# Altium PCB KVision_PCB_V1I1.PcbDoc (part 2 of 2)
Units mm, origin at the board's own origin, x right, y up, seen from the top; angles counter-clockwise.
Board outline 122 x 56 mm, 4 copper layers (Top Layer, VCC, GND, Bottom Layer), stack 1.58 mm thick; 96 components, 137 nets, 699 pads, 420 vias.
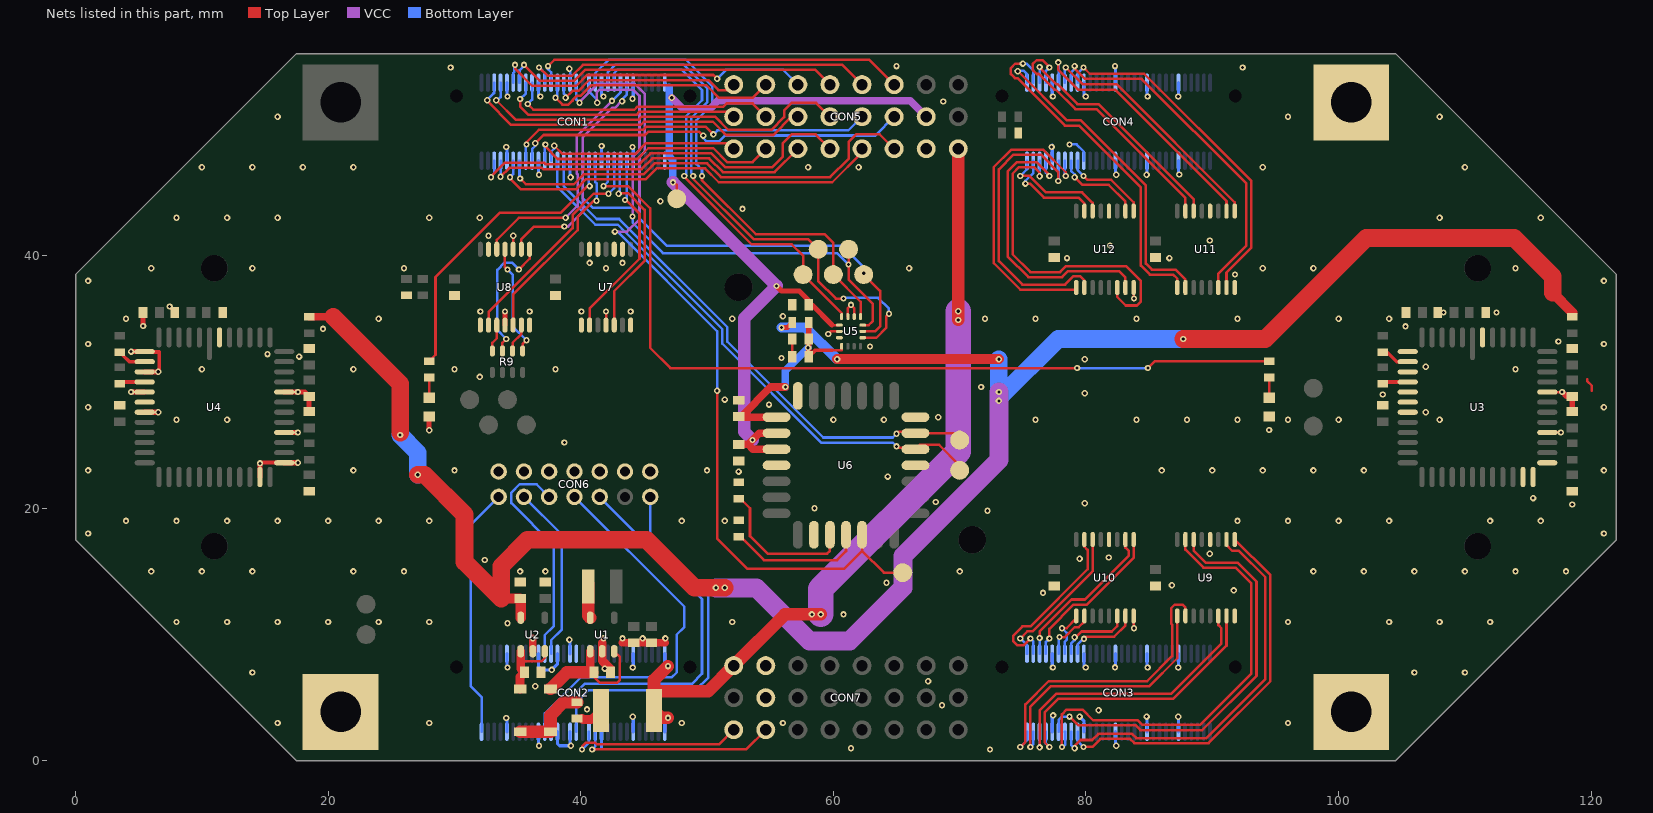
[diagram p4: the nets of this part, all layers, seen from the top]

## Via types
v1: diameter 0.5, hole 0.25, Top Layer to Bottom Layer, tented both sides, 420 vias

## Nets (pads, with @x,y where several pads share a name; then routed paths per layer and width w, separated by ;. In a path a pad name is that pad's centre, name@x,y a point inside that pad or via, vN(x,y) a via of type N, cw(c..) or ccw(c..) an arc to the next point about the centre after c; other vN are vias at no path point) (continued)
GND: C1.2 C2.2 C3.2 C4.2 C5.2 C6.2 C7.2 C8.2 C9.2 C10.2 C11.2 C12.2 C13.2 C14.2 C15.2 C16.2 C17.2 C18.2 C19.2 C20.2 C21.2 C22.2 C23.2 C25.2 C26.2 C27.1 C28.2 C29.1 C30.1 C31.1 C32.1 C33.1 C34.1 CON1.11 CON1.12 CON1.21 CON1.22 CON1.31 CON1.32 CON1.41 CON1.42 CON1.51 CON1.52 CON2.11 CON2.12 CON2.21 CON2.22 CON2.31 CON2.32 CON2.35 CON2.36 CON2.41 CON2.42 CON2.51 CON2.52 CON3.11 CON3.12 CON3.21 CON3.22 CON3.31 CON3.32 CON3.41 CON3.42 CON3.51 CON3.52 CON4.11 CON4.12 CON4.21 CON4.22 CON4.31 CON4.32 CON4.41 CON4.42 CON4.51 CON4.52 CON5.21 CON6.1 CON6.3 CON6.5 CON6.7 CON6.9 CON6.11 CON6.13 CON7.20 CON7.21 D3.1 D4.1 pad.@20.985,3.871 pad.@100.995,3.871 pad.@100.995,52.129 R7.2 R8.1 R13.1 R15.1 U1.2 U2.2 U3.7 U3.9 U3.11 U3.12 U3.13 U3.29 U3.30 U3.31 U3.34 U3.38 U3.48 U4.7 U4.9 U4.11 U4.12 U4.13 U4.29 U4.31 U4.34 U4.38 U4.48 U5.2 U5.3 U5.6 U5.7 U6.4 U6.8 U6.13 U6.22 U6.25 U7.1 U7.4 U7.7 U7.9 U7.10 U7.12 U7.13 U8.1 U8.4 U8.7 U8.10 U8.13 U9.8 U9.12 U10.8 U10.12 U11.8 U11.12 U12.8 U12.12 | length 95.7
  Top Layer w0.2: v1(7.45,35.975) 7.45,35.95 7.425,35.925 C16.2@7.85,35.5 ; U8.10@34.65,40.5 v1(34.65,41.575) ; U7.4@42,34.5 v1(42,35.575) ; C25.2@56.75,32 C26.2@56.75,33.4 ; v1(59.6,33.8) 59.8,34 U5.6@60.475,34 ; U5.3@61.15,35.175 61.15,35.85 v1(61.4,36.1) 61.65,35.85 U5.2@61.65,35.175 ; U10.8@83.775,11.475 83.8,11.45 v1(83.8,10.5) ; U12.8@83.775,37.475 83.775,36.475 83.8,36.45 v1(83.8,36.6) ; U3.34@116.525,26 v1(117.6,26) ; U3.38@116.525,29.2 v1(117.7,29.2) ; 119.7,30.2 119.7,30.049 120.05,29.699 120.05,29.3
  Top Layer w0.3: C18.2@5.35,35.5 C18.2@5.475,35.375 ; U4.7@5.475,32.4 5.475,32.375 6.625,32.375 6.625,30.875 v1(6.55,30.8) ; v1(14.6,23.55) 14.675,23.625 16.525,23.625 U4.31@16.525,23.6
  Top Layer w0.4: v1(4.4,29.2) U4.11@5.475,29.2 ; v1(4.4,32.4) U4.7@5.475,32.4 ; v1(5.35,34.425) C18.2@5.35,35.5 ; U4.13@5.475,27.6 v1(6.55,27.6) ; U4.9@5.475,30.8 v1(6.55,30.8) ; U4.29@14.6,22.475 v1(14.6,23.55) ; U4.31@16.525,23.6 v1(17.6,23.6) ; U4.34@16.525,26 v1(17.6,26) ; U4.38@16.525,29.2 v1(17.6,29.2) 18.15,29.2 C21.2@18.5,28.85 C22.2@18.5,27.65 ; v1(28,26.175) D3.1@28,27.25 ; U8.4@34,34.5 v1(34,35.575) ; v1(117.7,29.2) 118.05,28.85 C13.2@118.5,28.85 C14.2@118.5,27.65
  Top Layer w0.6: U2.2@36.2,8.675 v1(36.2,9.7) ; 43.3,9.35 46.7,9.35
  Top Layer w0.7: 41.7,9.329 U1.2@41.7,8.675 41.7,7.928 42.35,7.278 C1.2@42.35,7
  Bottom Layer w0.2: v1(34.1,3.39) v1@34.1,3.49 ; v1(34.1,48.6) 34.1,48.7 v1@34.15,48.65 ; v1@36.65,1.14 v1(36.7,1.19) ; v1@36.65,46.35 v1(36.7,46.4) ; v1(39.1,9.59) v1@39.15,9.64 ; v1(39.1,54.8) 39.15,54.85 CON1.31@39.15,53.695 ; v1@41.65,9.75 41.7,9.7 v1(41.8,9.7) ; v1@41.65,52.65 41.7,52.6 v1(41.8,52.6) ; v1(44.1,48.6) v1@44.15,48.55 ; v1(44.1,52.425) v1@44.15,52.475 ; v1(44.12,3.49) v1@44.15,3.46 ; v1(44.12,7.39) 44.12,7.295 v1@44.15,7.265 ; v1@77.28,3.49 77.39,3.6 v1(77.4,3.6) ; v1(77.28,48.6) 77.28,48.7 v1@77.33,48.75 ; v1(78.7,48.8) 79.255,48.8 79.83,48.225 CON4.42@79.83,47.515 ; v1(82.3,55) 82.3,54.82 v1@82.33,54.85 ; v1(84.8,46.4) v1@84.83,46.43 ; v1@84.83,7.44 v1(84.88,7.39) ; v1@84.83,52.65 v1(84.88,52.6) ; v1(87.3,3.49) v1@87.33,3.46 ; v1(87.3,7.39) 87.3,7.295 v1@87.33,7.265 ; v1(87.3,52.6) 87.3,52.505 v1@87.33,52.475 ; v1@87.33,46.47 v1(87.38,46.42)
  Bottom Layer w0.25: v1@34.1,3.49 34.15,3.44 CON2.52@34.15,2.305 ; v1@34.15,7.315 CON2.51@34.15,8.485 ; CON1.52@34.15,47.515 v1@34.15,48.65 ; v1@34.15,52.525 CON1.51@34.15,53.695 ; v1(34.2,7.39) v1@34.275,7.315 ; v1(34.2,52.6) v1@34.275,52.525 ; v1@36.65,1.14 CON2.42@36.65,2.305 ; CON2.41@36.65,8.485 36.65,7.49 36.94,7.2 v1(37.7,7.2) 38.15,7.65 CON2.35@38.15,8.485 ; v1@36.65,46.35 CON1.42@36.65,47.515 ; CON1.41@36.65,53.695 36.65,52.7 36.75,52.6 v1(36.8,52.6) ; CON2.36@38.15,2.305 38.15,1.377 38.337,1.19 39.15,1.19 CON2.32@39.15,2.305 ; CON2.31@39.15,8.485 v1@39.15,9.64 ; CON1.32@39.15,47.515 39.15,46.25 v1(39.2,46.2) ; 41.65,1.05 CON2.22@41.65,2.305 ; CON2.21@41.65,8.485 v1@41.65,9.75 ; CON1.22@41.65,47.515 v1(41.65,48.675) ; v1@41.65,52.65 CON1.21@41.65,53.695 ; CON2.12@44.15,2.305 v1@44.15,3.46 ; v1@44.15,7.265 CON2.11@44.15,8.485 ; CON1.12@44.15,47.515 v1@44.15,48.55 ; v1@44.15,52.475 CON1.11@44.15,53.695 ; v1@77.28,3.49 77.33,3.44 CON3.52@77.33,2.305 ; v1@77.33,7.315 CON3.51@77.33,8.485 ; CON4.52@77.33,47.515 v1@77.33,48.75 ; v1@77.33,52.525 CON4.51@77.33,53.695 ; v1(77.38,7.39) v1@77.455,7.315 ; v1(77.38,52.6) v1@77.455,52.525 ; v1(79.5,3.5) 79.83,3.17 CON3.42@79.83,2.305 ; CON3.41@79.83,8.485 79.83,7.49 79.93,7.39 v1(79.98,7.39) ; CON4.41@79.83,53.695 79.83,52.7 79.93,52.6 v1(79.98,52.6) ; v1(82.3,7.4) 82.33,7.43 CON3.31@82.33,8.485 ; v1@82.33,1.19 CON3.32@82.33,2.305 ; v1@82.33,46.4 CON4.32@82.33,47.515 ; CON4.31@82.33,53.695 v1@82.33,54.85 ; v1(84.8,3.5) 84.83,3.47 CON3.22@84.83,2.305 ; v1@84.83,7.44 CON3.21@84.83,8.485 ; v1@84.83,46.43 CON4.22@84.83,47.515 ; v1@84.83,52.65 CON4.21@84.83,53.695 ; CON3.12@87.33,2.305 v1@87.33,3.46 ; v1@87.33,7.265 CON3.11@87.33,8.485 ; v1@87.33,46.47 CON4.12@87.33,47.515 ; v1@87.33,52.475 CON4.11@87.33,53.695
  other v1: 72.4,0.9 61.4,1 39.22,1.19 82.4,1.19 16,3 28,3 48,3 56,3 96,3 81,4 40.5,4.075 68.6,4.4 36.4,5.9 67.5,6.3 14,7 106,7 110,7 41.9,7.3 43.3,9.7 44.9,9.7 46.7,9.7 34.2,10.9 8,11 12,11 16,11 20,11 24,11 28,11 52,11 96,11 104,11 108,11 112,11 60.8,11.6 76.6,13.3 91.7,13.5 86.8,13.9 64.2,14.1 6,15 10,15 14,15 22,15 26,15 35.2,15 37.2,15 70,15 98,15 102,15 106,15 110,15 114,15 118,15 32.4,15.9 79.5,16 81.8,16.1 89.8,16.4 1,18 121,18 4,19 8,19 12,19 16,19 20,19 24,19 28,19 48,19 51.4,19 92,19 96,19 100,19 104,19 112,19 116,19 72.2,19.8 58.5,20 118.5,20.3 79.9,20.4 68.1,20.5 115.4,20.8 64.3,22.5 52.5,22.9 1,23 22,23 30,23 50,23 86,23 90,23 94,23 98,23 102,23 121,23 38.7,25.2 94.5,26.2 8,27 12,27 60,27 64,27 76,27 84,27 88,27 92,27 96,27 100,27 108,27 68.3,27.2 106.9,27.6 1,28 121,28 54.9,28.2 51.4,28.6 103.5,29 79.9,29.1 71.7,29.6 32,30.4 10,31 22,31 30,31 38,31 114,31 106.9,31.2 79.9,31.8 55.9,31.9 17.7,32 15.2,32.2 62.9,32.8 1,33 121,33 117.4,33.2 19.6,34.2 105.3,34.4 4,35 24,35 52,35 72,35 76,35 84,35 92,35 100,35 104,35 56,35.2 108.3,35.5 112.5,35.5 32.05,35.575 35.95,35.575 40.05,35.575 43.95,35.575 1,38 121,38 91.8,38.5 6,39 14,39 26,39 42,39 66,39 94,39 98,39 114,39 40.7,39.425 43.3,39.425 78.5,39.8 86.6,39.8 81.9,40.8 89.8,41.2 32.7,41.575 8,43 12,43 16,43 28,43 32,43 108,43 116,43 52.8,43.7 46.3,44.3 82.4,46.4 10,47 14,47 18,47 22,47 58,47 62,47 94,47 110,47 16,51 96,51 108,51 68.7,52.2 29.7,54.9 92.4,54.9 65,55
GPIO4_N: CON1.13 U8.9 | length 18.4
  Top Layer w0.2: U8.9@35.3,40.5 35.3,41.3 36.3,42.3 v1(38.7,42.3)
  VCC w0.2: v1(38.7,42.3) 39,42.3 40.15,43.45 40.15,49.359 42.491,51.7 42.703,51.7 43.228,52.225 v1(43.275,52.225)
  Bottom Layer w0.2: v1(43.275,52.225) 43.375,52.478 43.65,52.753 CON1.13@43.65,53.695
GPIO4_P: CON1.15 U8.12 | length 19.5
  Top Layer w0.2: U8.12@33.35,40.5 33.35,41.25 35.1,43 v1(38.8,43)
  VCC w0.2: v1(38.8,43) 39.75,43.95 39.75,46.428 39.7,46.478 39.7,49.475 v1(42.475,52.25)
  Bottom Layer w0.2: v1(42.475,52.25) 43.15,52.925 CON1.15@43.15,53.695
GPIO5_N: CON1.14 U7.2 | length 15.2
  Top Layer w0.2: U7.2@40.7,34.5 40.7,35.8 44.65,39.75 44.65,43.328 43.578,44.4 v1(43.5,44.4)
  Bottom Layer w0.2: v1(43.5,44.4) 43.65,44.55 CON1.14@43.65,47.515
GPIO5_P: CON1.16 U7.5 | length 16.1
  Top Layer w0.2: U7.5@42.65,34.5 42.65,37.184 45.05,39.584 45.05,43.628 43.728,44.95 42.95,44.95 v1(43,44.9) ; v1(43,44.9) 43.1,44.8 v1(43,44.9)
  Bottom Layer w0.2: v1(43,44.9) 43,44.8 42.9,44.9 43,45 43.1,45.1 43.1,47.465 CON1.16@43.15,47.515
GPIO7_N: CON1.18 U8.2 | length 17.8
  Top Layer w0.2: U8.2@32.7,34.5 32.7,35.522 39.35,42.172 39.35,43.228 41.022,44.9 v1(42.2,44.9)
  Bottom Layer w0.2: v1(42.2,44.9) 42.65,45.35 CON1.18@42.65,47.515
GPIO7_P: CON1.20 R11.2 | length 67.5
  Top Layer w0.2: v1(41.8,45.5) 43.743,45.5 45.5,43.743 45.5,32.7 47.1,31.1 v1(79.3,31.1) ; v1(84.9,31.1) 85.45,31.65 R11.2@94.5,31.65
  Bottom Layer w0.2: v1(41.8,45.5) 42.15,45.85 CON1.20@42.15,47.515 ; v1(79.3,31.1) v1(84.9,31.1)
GPIO9_N: CON1.24 U8.5 | length 15.9
  Top Layer w0.2: U8.5@34.65,34.5 34.65,36.907 39.75,42.006 39.75,43.062 41.038,44.35 v1(41.25,44.35)
  Bottom Layer w0.2: CON1.24@41.15,47.515 41.15,45.828 41.25,45.728 v1(41.25,44.35)
GPIO9_P: CON1.26 R10.2 | length 24.1
  Top Layer w0.2: R10.2@28,31.65 28.5,32.15 28.5,38.3 33.6,43.4 38.422,43.4 40.522,45.5 v1(40.7,45.5)
  Bottom Layer w0.2: CON1.26@40.65,47.515 40.65,45.55 v1(40.7,45.5)
GPIO12_N: CON1.33 CON5.1 | length 15.7
  Top Layer w0.2: v1(38.8,52.5) 39.35,53.05 39.825,53.05 40.675,53.9 50.1,53.9 50.9,53.1 51.67,53.1 CON5.1@52.11,53.54
  Bottom Layer w0.2: CON1.33@38.65,53.695 38.65,52.85 38.8,52.7 v1(38.8,52.5)
GPIO12_P: CON1.35 CON5.4 | length 19.7
  Top Layer w0.2: v1(38,52.5) 38.55,51.95 39.028,51.95 39.35,52.272 39.35,52.328 39.672,52.65 39.991,52.65 40.841,53.5 49.934,53.5 50.944,52.49 53.6,52.49 CON5.4@54.65,53.54
  Bottom Layer w0.2: v1(38,52.5) 38.15,52.65 CON1.35@38.15,53.695
GPIO13_N: CON1.38 CON5.3 | length 16.3
  Top Layer w0.2: v1(37.9,48.7) 38.55,48.05 44.328,48.05 45.178,48.9 51.67,48.9 CON5.3@52.11,48.46
  Bottom Layer w0.2: CON1.38@37.65,47.515 37.65,48.225 37.9,48.475 v1(37.9,48.7)
GPIO13_P: CON1.40 CON5.6 | length 20.6
  Top Layer w0.2: v1(37.2,48.8) 37.2,48.622 38.172,47.65 44.494,47.65 45.343,48.5 50.5,48.5 51.59,47.41 53.6,47.41 CON5.6@54.65,48.46
  Bottom Layer w0.2: CON1.40@37.15,47.515 37.15,48.75 v1(37.2,48.8)
GPIO14_N: CON1.37 CON5.16 | length 29.8
  Top Layer w0.2: v1(37.4,55) 37.9,55.5 62.85,55.5 CON5.16@64.81,53.54
  Bottom Layer w0.2: v1(37.4,55) 37.4,54.766 37.65,54.516 CON1.37@37.65,53.695
GPIO14_P: CON1.39 CON5.13 | length 28.1
  Top Layer w0.2: v1(36.7,54.9) 37.35,54.25 39.328,54.25 40.178,55.1 60.71,55.1 CON5.13@62.27,53.54
  Bottom Layer w0.2: v1@36.8,54.8 37.15,54.45 CON1.39@37.15,53.695
GPIO15_N: CON1.44 CON5.17 | length 31.5
  Top Layer w0.2: v1(36.4,48.9) 37.05,49.55 45.079,49.55 45.329,49.8 49.4,49.8 v1(49.7,49.5)
  Bottom Layer w0.2: CON1.44@36.15,47.515 36.15,48.45 36.4,48.7 v1(36.4,48.9) ; v1(49.7,49.5) 49.7,49.3 49.95,49.05 50.95,49.05 51.41,49.51 63.32,49.51 CON5.17@64.81,51
GPIO15_P: CON1.46 CON5.14 | length 29.4
  Top Layer w0.2: v1(35.7,48.8) 35.7,48.978 36.672,49.95 44.913,49.95 45.163,50.2 49.9,50.2 v1(50.5,49.6)
  Bottom Layer w0.2: CON1.46@35.65,47.515 35.65,48.75 v1(35.7,48.8) ; v1(50.5,49.6) 50.81,49.91 61.18,49.91 CON5.14@62.27,51
GPIO16_N: CON1.43 CON5.5 | length 21.5
  Top Layer w0.2: v1(35.8,52) 36.25,51.55 44.25,51.55 44.5,51.8 51.3,51.8 51.55,52.05 53.6,52.05 CON5.5@54.65,51
  Bottom Layer w0.2: v1(35.8,52) 36.15,52.35 CON1.43@36.15,53.695
GPIO16_P: CON1.45 CON5.2 | length 19.5
  Top Layer w0.2: v1(35.2,52.4) 35.2,51.822 35.872,51.15 44.416,51.15 44.666,51.4 51.71,51.4 CON5.2@52.11,51
  Bottom Layer w0.2: v1(35.2,52.4) 35.65,52.85 CON1.45@35.65,53.695
GPIO17_N: CON1.48 CON5.18 | length 35
  Top Layer w0.2: v1(35.2,46.1) 35.65,45.65 39.45,45.65 40.25,46.45 44.991,46.45 45.841,47.3 50.003,47.3 51.093,46.21 59.744,46.21 61.2,47.666 61.2,49 61.8,49.6 63.67,49.6 CON5.18@64.81,48.46
  Bottom Layer w0.2: CON1.48@35.15,47.515 35.15,46.15 v1(35.2,46.1)
GPIO17_P: CON1.50 CON5.15 | length 32.1
  Top Layer w0.2: v1(34.4,46.2) 34.4,46.122 35.272,45.25 39.616,45.25 40.416,46.05 45.156,46.05 46.006,46.9 49.837,46.9 50.927,45.81 59.91,45.81 62.27,48.17 CON5.15@62.27,48.46
  Bottom Layer w0.2: v1(34.4,46.2) 34.65,46.45 CON1.50@34.65,47.515
GPIO18_N: CON1.47 CON5.10 | length 27.1
  Top Layer w0.2: v1(35.5,55.1) 36.75,53.85 39.493,53.85 40.343,54.7 58.57,54.7 CON5.10@59.73,53.54
  Bottom Layer w0.2: CON1.47@35.15,53.695 35.15,54.672 35.5,55.022 v1(35.5,55.1)
GPIO18_P: CON1.49 CON5.7 | length 26
  Top Layer w0.2: v1(34.8,55.1) 34.8,54.8 36.15,53.45 39.659,53.45 40.509,54.3 50.5,54.3 v1(50.8,54)
  Bottom Layer w0.2: CON1.49@34.65,53.695 34.65,54.45 34.75,54.55 34.75,54.838 34.8,54.888 v1(34.8,55.1) ; v1(50.8,54) 51.5,54.7 56.03,54.7 CON5.7@57.19,53.54
GPIO19_N: CON1.54 CON5.9 | length 26.8
  Top Layer w0.2: v1(33.65,46.25) 34.35,46.95 36.928,46.95 37.028,46.85 44.825,46.85 45.675,47.7 50.169,47.7 51.259,46.61 55.34,46.61 CON5.9@57.19,48.46
  Bottom Layer w0.2: v1@33.6,46.2 v1(33.65,46.25) CON1.54@33.65,47.515
GPIO19_P: CON1.56 CON5.12 | length 31.8
  Top Layer w0.2: v1(32.9,46.2) 32.9,46.278 33.989,47.367 37.076,47.367 37.193,47.25 44.659,47.25 45.509,48.1 50.334,48.1 51.424,47.01 55.174,47.01 56,47.836 56,48.9 56.7,49.6 58.59,49.6 CON5.12@59.73,48.46
  Bottom Layer w0.2: v1(32.9,46.2) 32.9,46.3 33.15,46.55 CON1.56@33.15,47.515
GPIO20_N: CON1.53 CON5.11 | length 30.8
  Top Layer w0.2: v1(33.311,52.3) 34.861,50.75 44.581,50.75 44.832,51 50.625,51 51.675,49.95 55.085,49.95 56.1,50.965 56.1,51.5 56.7,52.1 58.63,52.1 CON5.11@59.73,51
  Bottom Layer w0.2: v1(33.311,52.3) 33.4,52.3 33.65,52.55 CON1.53@33.65,53.695
GPIO20_P: CON1.55 CON5.8 | length 28.2
  Top Layer w0.2: v1(32.6,52.3) 32.6,52.233 34.483,50.35 44.747,50.35 44.997,50.6 50.459,50.6 51.509,49.55 55.251,49.55 56.701,51 CON5.8@57.19,51
  Bottom Layer w0.2: v1(32.6,52.3) 32.6,52.367 33.083,52.85 33.15,52.85 CON1.55@33.15,53.695
IMU_CS: CON1.19 TP15.1 U5.12 | length 42.5
  Top Layer w0.2: v1(48.9,46.3) 48.9,46.088 53.688,41.3 58,41.3 TP15.1@58.8,40.5 58.8,38 60.2,36.6 v1(60.8,36.6) ; U5.12@62.325,33.5 63.4,33.5 64.2,34.3 64.2,35.2 v1(64.4,35.4)
  Bottom Layer w0.2: CON1.19@42.15,53.695 42.15,54.516 42.753,55.119 48.147,55.119 50,53.266 50,52.134 48.75,50.884 48.75,46.55 48.9,46.4 v1(48.9,46.3) ; v1(60.8,36.6) 60.85,36.65 63.55,36.65 64.4,35.8 v1(64.4,35.4)
IMU_INT: CON1.17 TP16.1 U5.4 | length 34.1
  Top Layer w0.2: v1(48.2,46.3) 48.2,46.222 53.522,40.9 56.7,40.9 57.6,40 TP16.1@57.6,38.5 60.65,35.45 U5.4@60.65,35.175
  Bottom Layer w0.2: CON1.17@42.65,53.695 42.65,54.45 42.919,54.719 47.981,54.719 49.6,53.1 49.6,52.3 48.35,51.05 48.35,46.35 48.3,46.3 v1(48.2,46.3)
IMU_SCLK: CON1.28 TP12.1 U5.13 | length 34.4
  Top Layer w0.2: U5.13@62.325,34 63.3,34 63.7,34.4 63.7,37.2 TP12.1@62.4,38.5
  Bottom Layer w0.2: CON1.28@40.15,47.515 40.15,44.581 40.931,43.8 44.178,43.8 44.65,43.328 44.65,42.95 46.8,40.8 60.7,40.8 62.4,39.1 v1(62.4,38.6)
IMU_SDI: CON1.25 TP13.1 U5.14 | length 43
  Top Layer w0.2: TP13.1@61.2,41 TP13.1@61.2,40.5 61.2,38.1 63.1,36.2 63.1,34.8 62.8,34.5 U5.14@62.325,34.5
  VCC w0.2: v1(41.3,52.1) 41.25,52.15 41.25,52.928 41.472,53.15 44.153,53.15 44.65,52.653 44.65,48.372 44.1,47.822 v1(44.1,43.1)
  Bottom Layer w0.2: CON1.25@40.65,53.695 40.65,52.985 41.225,52.41 41.225,52.175 v1(41.3,52.1) ; v1(44.1,43.1) 44.1,42.6 46.5,40.2 60.3,40.2 v1(61.2,39.3)
IMU_SDO: CON1.23 TP14.1 U5.1 | length 38.7
  Top Layer w0.2: v1(49.6,46.3) 49.6,45.954 53.854,41.7 59.3,41.7 60,41 TP14.1@60,38.5 62.15,36.35 U5.1@62.15,35.175
  Bottom Layer w0.2: CON1.23@41.15,53.695 41.15,54.45 42.219,55.519 48.312,55.519 50.4,53.431 50.4,51.969 49.15,50.719 49.15,47.25 49.6,46.8 v1(49.6,46.3)
IMU_VAA: C25.1 C26.1 C27.2 FB4.2 U5.8 U6.5 | length 17.4
  Top Layer w0.2: 59.9,32.5 60.65,32.5 U5.8@60.65,32.825
  Top Layer w0.3: C25.1@58.05,32 58.55,32.5 59.9,32.5
  Top Layer w0.4: C25.1@58.05,32 FB4.2@58.05,34.7
  Top Layer w0.6: U6.5@55.5,27.21 52.54,27.21 C27.2@52.5,27.25 52.707,27.25 55.057,29.6 v1(56.2,29.6)
  Bottom Layer w0.6: v1(56.2,29.6) 56.2,30.9 v1(58,32.7)
JTAG_3V3: CON2.60 CON6.2 | length 19.9
  Bottom Layer w0.2: CON2.60@32.15,2.305 32.15,5.05 31.3,5.9 31.3,18.7 CON6.2@33.5,20.9
JTAG_BOOT_EN: CON2.29
JTAG_SRST: CON2.30 CON6.14 | length 29.8
  Bottom Layer w0.2: CON2.30@39.65,2.305 39.65,4.65 40.6,5.6 49.1,5.6 50.1,6.6 50.1,13 45.5,17.6 CON6.14@45.5,20.9
JTAG_TCK: CON2.39 CON6.6 | length 18.1
  Bottom Layer w0.2: CON2.39@37.15,8.485 37.15,9.95 37.85,10.65 37.85,17.05 34.5,20.4 34.5,21.244 35.156,21.9 36.5,21.9 CON6.6@37.5,20.9
JTAG_TDI: CON2.38 CON6.10 | length 31.9
  Bottom Layer w0.2: CON2.38@37.65,2.305 37.65,3.45 40.3,6.1 48.8,6.1 49.6,6.9 49.6,12.8 CON6.10@41.5,20.9
JTAG_TDO: CON2.40 CON6.8 | length 31
  Bottom Layer w0.2: CON2.40@37.15,2.305 37.15,3.75 40,6.6 47.2,6.6 47.6,7 47.6,10 48.2,10.6 48.2,12.2 CON6.8@39.5,20.9
JTAG_TMS: CON2.37 CON6.4 | length 14
  Bottom Layer w0.2: CON6.4@35.5,20.9 38.5,17.9 38.5,10.4 37.65,9.55 CON2.37@37.65,8.485
MTI_RX: CON1.36 TP18.1 U6.23 | length 44
  Top Layer w0.2: v1(65,24.9) 65.13,24.77 U6.23@66.5,24.77 ; U6.23@66.5,24.67 66.847,25.017 68.383,25.017 TP18.1@70,23.4
  Bottom Layer w0.2: CON1.36@38.15,47.515 38.15,45.45 41.15,42.45 42.928,42.45 43.25,42.128 51.2,34.178 51.2,33.034 59.034,25.2 64.7,25.2 v1(65,24.9)
MTI_SYNC: CON1.29 TP17.1 U6.16 | length 66.4
  Top Layer w0.2: v1(50.8,29.3) 50.8,17.6 53.2,15.2 60.84,15.2 62.27,16.63 ; U6.16@62.27,17.9 U6.16@62.27,17.33 ; U6.16@62.27,18 U6.16@62.3,18.03 ; U6.16@62.3,17.3 U6.16@62.27,17.33 ; TP17.1@65.5,14.9 64,14.9 62.27,16.63 ; 62.27,16.63 U6.16@62.27,17.33
  VCC w0.2: v1(39.9,52.1) 39.9,52.178 41.314,53.591 44.277,53.591 45.05,52.818 45.05,48.206 44.65,47.807 44.65,42.872 43.678,41.9 v1(42.7,41.9)
  Bottom Layer w0.2: CON1.29@39.65,53.695 39.65,52.35 v1(39.9,52.1) ; v1(42.7,41.9) 42.912,41.9 50.8,34.012 v1(50.8,29.3)
MTI_TX: CON1.34 TP19.1 U6.24 | length 42.6
  Top Layer w0.2: v1(65,25.9) 65.14,26.04 U6.24@66.5,26.04 ; U6.24@66.5,25.94 TP19.1@69.54,25.94 ; TP19.1@69.54,25.44 TP19.1@70,25.9
  Bottom Layer w0.2: CON1.34@38.65,47.515 38.65,45.516 41.266,42.9 43.044,42.9 51.6,34.344 51.6,33.2 59.2,25.6 64.7,25.6 v1(65,25.9)
NetD1_2: D1.2 D2.2 FB1.2 | length 6.2
  Top Layer w1: D2.2@35.2,2.3 D1.2@37.6,2.3 37.6,3.6 38.65,4.65 FB1.2@39.7,4.65
NetD3_2: D3.2 R10.1 | length 1.6
  Top Layer w0.2: D3.2@28,28.75 R10.1@28,30.35
NetD4_2: D4.2 R11.1 | length 1.6
  Top Layer w0.2: D4.2@94.5,28.75 R11.1@94.5,30.35
NetF1_2: F1.2 FB1.1 | length 1.8
  Top Layer w0.7: FB1.1@40.094,3.35 40.169,3.275 40.831,3.275 40.906,3.35 40.95,3.35 F1.2@41.6,4
NetL1_1: L1.1 U1.5 | length 2.7
  Top Layer w1: L1.1@40.6,14 40.6,11.475 U1.5@40.75,11.325
NetR1_1: R1.1 U3.8 | length 2.3
  Top Layer w0.3: R1.1@103.5,32.35 103.85,32.35 104.6,31.6 U3.8@105.475,31.6
NetR2_1: R2.1 U3.10 | length 2
  Top Layer w0.3: R2.1@103.5,29.85 103.65,30 U3.10@105.475,30
NetR4_1: R4.1 U4.8 | length 2.3
  Top Layer w0.3: R4.1@3.5,32.35 4.05,31.8 4.07,31.8 4.27,31.6 U4.8@5.475,31.6
NetR5_1: R5.1 U4.10 | length 2
  Top Layer w0.3: R5.1@3.5,29.85 3.65,30 U4.10@5.475,30
NetR9_5: R9.5 U8.11 | length 8.9
  Top Layer w0.2: U8.11@34,40.5 34,39.1 v1(34.2,38.9) ; R9.5@35.4,32.45 35.4,33 v1(35.7,33.3)
  Bottom Layer w0.2: v1(34.2,38.9) 34.6,38.5 34.6,34.4 v1(35.7,33.3)
NetR9_6: R9.6 U8.6 | length 2.3
  Top Layer w0.2: R9.6@34.6,32.45 34.6,33.1 35.3,33.8 U8.6@35.3,34.5
NetR9_7: R9.7 U8.8 | length 11
  Top Layer w0.2: R9.7@33.8,32.45 33.8,33.1 v1(34.1,33.4) ; v1(35.1,38.9) 35.95,39.75 U8.8@35.95,40.5
  Bottom Layer w0.2: v1(34.1,33.4) 33.4,34.1 33.4,38.878 33.972,39.45 34.55,39.45 v1(35.1,38.9)
NetR9_8: R9.8 U8.3 | length 2.2
  Top Layer w0.2: R9.8@33,32.45 33,33.1 33.35,33.45 U8.3@33.35,34.5
NORTH_TXO0_N: CON4.43 U11.7 | length 27.7
  Top Layer w0.2: v1(79.8,54.9) 80.3,54.4 84.6,54.4 93.1,45.9 93.1,40.634 91.125,38.659 U11.7@91.125,37.475
  Bottom Layer w0.2: CON4.43@79.33,53.695 79.33,54.43 v1(79.8,54.9)
NORTH_TXO0_P: CON4.45 U11.6 | length 28.1
  Top Layer w0.2: v1(79.1,55) 79.1,54.822 79.922,54 84.4,54 92.7,45.7 92.7,40.8 90.475,38.575 U11.6@90.475,37.475
  Bottom Layer w0.2: CON4.45@78.83,53.695 78.83,54.496 79.1,54.766 v1@79.1,55
NORTH_TXO1_N: CON4.44 U12.9 | length 6.9
  Top Layer w0.2: v1(79.8,46.31) 80.11,46 82,46 83.775,44.225 U12.9@83.775,43.525
  Bottom Layer w0.2: CON4.44@79.33,47.515 79.33,46.78 v1(79.8,46.31)
NORTH_TXO1_P: CON4.46 U12.10 | length 7
  Top Layer w0.2: v1(79.1,46.21) 79.71,45.6 81.8,45.6 83.125,44.275 U12.10@83.125,43.525
  Bottom Layer w0.2: CON4.46@78.83,47.515 78.83,46.714 79.1,46.444 v1@79.1,46.21
NORTH_TXO2_N: CON4.47 U11.9 | length 19.8
  Top Layer w0.2: v1(78.4,54.9) 79.75,53.55 82.45,53.55 91.775,44.225 U11.9@91.775,43.525
  Bottom Layer w0.2: CON4.47@78.33,53.695 78.33,54.852 78.282,54.9 v1(78.4,54.9)
NORTH_TXO2_P: CON4.49 U11.10 | length 20.6
  Top Layer w0.2: v1(77.8,55.3) 77.8,54.722 79.372,53.15 82.284,53.15 91.125,44.309 U11.10@91.125,43.525
  Bottom Layer w0.2: v1(77.8,55.3) 77.83,55.27 CON4.49@77.83,53.695
NORTH_TXO3_N: CON4.48 U12.1 | length 23.7
  Top Layer w0.2: v1(78.4,46.31) 78.4,46.6 76.6,48.4 74.1,48.4 72.7,47 72.7,39.4 74.8,37.3 79.05,37.3 U12.1@79.225,37.475
  Bottom Layer w0.2: CON4.48@78.33,47.515 78.33,46.358 78.282,46.31 v1(78.4,46.31)
NORTH_TXO3_P: CON4.50 U12.2 | length 23.9
  Top Layer w0.2: v1(77.8,45.91) 77.8,46.634 76.434,48 74.266,48 73.1,46.834 73.1,39.566 74.966,37.7 78.353,37.7 79.028,38.375 79.525,38.375 79.875,38.025 U12.2@79.875,37.475
  Bottom Layer w0.2: v1(77.8,45.91) 77.83,45.94 CON4.50@77.83,47.515
NORTH_TXO4_N: CON4.53 U11.15 | length 20.8
  Top Layer w0.2: v1(77.1,54.9) 77.1,54.938 76.558,55.48 76.102,55.48 75.78,55.158 75.78,54.702 76.102,54.38 76.276,54.38 77.506,53.15 77.608,53.15 79.158,51.6 80.834,51.6 87.875,44.559 U11.15@87.875,43.525
  Bottom Layer w0.2: CON4.53@76.83,53.695 76.83,54.63 v1(77.1,54.9)
NORTH_TXO4_P: CON4.55 U11.14 | length 18.7
  Top Layer w0.2: v1(76.33,54.93) 76.33,54.892 77.672,53.55 77.773,53.55 79.323,52 81,52 88.525,44.475 U11.14@88.525,43.525
  Bottom Layer w0.2: CON4.55@76.33,53.695 v1(76.33,54.93)
NORTH_TXO5_N: CON4.54 U12.7 | length 23.3
  Top Layer w0.2: v1(77.1,46.31) 77.1,46.366 76.066,47.4 74.534,47.4 73.8,46.666 73.8,39.934 75.434,38.3 78.109,38.3 78.584,38.775 82.625,38.775 83.125,38.275 U12.7@83.125,37.475
  Bottom Layer w0.2: CON4.54@76.83,47.515 76.83,46.58 v1(77.1,46.31)
NORTH_TXO5_P: CON4.56 U12.6 | length 26.5
  Top Layer w0.2: v1(76.33,46.28) 76.33,46.57 75.9,47 74.7,47 74.2,46.5 74.2,40.1 75.6,38.7 77.944,38.7 78.419,39.175 83.172,39.175 84.35,37.997 84.35,36.372 84.028,36.05 83.15,36.05 82.475,36.725 U12.6@82.475,37.475
  Bottom Layer w0.2: v1(76.33,46.28) CON4.56@76.33,47.515
NORTH_TXO6_N: CON4.57 U11.1 | length 27.8
  Top Layer w0.2: v1(75,55.2) 74.4,55.2 74.05,54.85 74.05,54.372 74.372,54.05 74.584,54.05 78.334,50.3 79.434,50.3 84.35,45.384 84.35,39.21 85.06,38.5 86.9,38.5 87.225,38.175 U11.1@87.225,37.475
  Bottom Layer w0.2: v1(75,55.2) 75.282,55.2 75.83,54.652 CON4.57@75.83,53.695
NORTH_TXO6_P: CON4.59 U11.2 | length 26.2
  Top Layer w0.2: v1(74.6,54.6) 78.5,50.7 79.6,50.7 84.75,45.55 84.75,39.376 85.226,38.9 87.1,38.9 87.875,38.125 U11.2@87.875,37.475
  Bottom Layer w0.2: v1(74.6,54.6) 74.5,54.6 74.45,54.65 75.05,54.65 75.33,54.37 CON4.59@75.33,53.695
NORTH_TXO7_N: CON4.58 U12.15 | length 8
  Top Layer w0.2: v1(75.2,45.7) 75.567,45.7 76.667,44.6 79.4,44.6 79.875,44.125 U12.15@79.875,43.525
  Bottom Layer w0.2: v1(75.2,45.7) 75.2,45.928 75.83,46.558 CON4.58@75.83,47.515
NORTH_TXO7_P: CON4.60 U12.14 | length 8.7
  Top Layer w0.2: v1(74.8,46.31) 75.522,46.31 76.832,45 79.7,45 80.525,44.175 U12.14@80.525,43.525
  Bottom Layer w0.2: v1(74.8,46.31) 75.33,46.84 CON4.60@75.33,47.515
PSEL0: R7.1 U6.14 | length 11.7
  Top Layer w0.2: R7.1@52.5,20.75 52.65,20.75 53.4,20 53.4,17.8 54.8,16.4 59.5,16.4 59.73,16.63 U6.14@59.73,17.9
PSEL1: R8.2 U6.15 | length 10.9
  Top Layer w0.2: R8.2@52.5,17.75 52.65,17.75 54.5,15.9 60.3,15.9 61,16.6 U6.15@61,17.9
SOUTH_TXO0_N: CON3.43 U10.7 | length 6
  Top Layer w0.2: v1(79.849,9.659) 79.849,9.739 79.95,9.84 82.24,9.84 83.125,10.725 U10.7@83.125,11.475
  Bottom Layer w0.2: CON3.43@79.33,8.485 79.33,9.22 79.769,9.659 v1(79.849,9.659)
SOUTH_TXO0_P: CON3.45 U10.6 | length 6
  Top Layer w0.2: v1(79.1,9.79) 79.202,9.79 79.652,10.24 82.04,10.24 82.475,10.675 U10.6@82.475,11.475
  Bottom Layer w0.2: CON3.45@78.83,8.485 78.83,9.286 79.1,9.556 v1@79.1,9.79
SOUTH_TXO1_N: CON3.44 U9.9 | length 31
  Top Layer w0.2: v1(79.8,1.1) 80.5,1.1 81.14,1.74 83.494,1.74 83.834,1.4 89.7,1.4 94.6,6.3 94.6,14.7 U9.9@91.775,17.525
  Bottom Layer w0.2: CON3.44@79.33,2.305 79.33,1.57 v1(79.8,1.1)
SOUTH_TXO1_P: CON3.46 U9.10 | length 31.8
  Top Layer w0.2: v1(79.1,1) 79.1,1.178 79.572,1.65 80.484,1.65 80.974,2.14 83.66,2.14 84,1.8 89.534,1.8 94.2,6.466 94.2,14.534 92.109,16.625 91.578,16.625 91.125,17.078 U9.10@91.125,17.525
  Bottom Layer w0.2: CON3.46@78.83,2.305 78.83,1.27 v1@79.1,1
SOUTH_TXO2_N: CON3.47 U10.1 | length 3.9
  Top Layer w0.2: v1(78.1,10.5) 78.466,10.5 79.225,11.259 U10.1@79.225,11.475
  Bottom Layer w0.2: v1(78.1,10.5) 78.46,10.14 78.46,9.572 78.33,9.442 CON3.47@78.33,8.485
SOUTH_TXO2_P: CON3.49 U10.2 | length 4.4
  Top Layer w0.2: v1(77.91,9.8) 78.332,9.8 79.107,10.575 79.422,10.575 79.875,11.028 U10.2@79.875,11.475
  Bottom Layer w0.2: CON3.49@77.83,8.485 77.83,9.88 v1(77.91,9.8)
SOUTH_TXO3_N: CON3.48 U9.15 | length 35.6
  Top Layer w0.2: v1(78.1,1.1) 78.1,3.678 78.472,4.05 79.728,4.05 80.578,3.2 84.112,3.2 84.472,2.84 89.04,2.84 93.1,6.9 93.1,14.034 91.834,15.3 89.3,15.3 87.875,16.725 U9.15@87.875,17.525
  Bottom Layer w0.2: v1(78.1,1.1) 78.194,1.1 78.35,1.256 78.35,2.285 CON3.48@78.33,2.305
SOUTH_TXO3_P: CON3.50 U9.14 | length 33.3
  Top Layer w0.2: v1(78.7,3.5) 79.4,2.8 83.947,2.8 84.307,2.44 89.206,2.44 93.5,6.734 93.5,14.2 92,15.7 89.466,15.7 88.525,16.641 U9.14@88.525,17.525
  Bottom Layer w0.2: CON3.50@77.83,2.305 77.83,3.23 78.1,3.5 v1(78.7,3.5)
SOUTH_TXO4_N: CON3.53 U10.9 | length 12.6
  Top Layer w0.2: v1(77.1,9.69) 77.1,10.447 79.028,12.375 80.075,12.375 83.8,16.1 83.8,17.5 U10.9@83.775,17.525
  Bottom Layer w0.2: CON3.53@76.83,8.485 76.83,9.42 v1(77.1,9.69)
SOUTH_TXO4_P: CON3.55 U10.10 | length 12.7
  Top Layer w0.2: v1(76.33,9.72) 76.33,10.242 78.863,12.775 79.909,12.775 83.4,16.266 83.4,16.6 83.125,16.875 U10.10@83.125,17.525
  Bottom Layer w0.2: CON3.55@76.33,8.485 v1(76.33,9.72)
SOUTH_TXO5_N: CON3.54 U9.7 | length 23.1
  Top Layer w0.2: v1(77.1,1.1) 76.73,1.47 76.73,3.83 77.8,4.9 86.9,4.9 91.125,9.125 U9.7@91.125,11.475
  Bottom Layer w0.2: CON3.54@76.83,2.305 76.83,1.37 v1(77.1,1.1)
SOUTH_TXO5_P: CON3.56 U9.6 | length 23
  Top Layer w0.2: v1(76.33,1.07) 76.33,3.996 77.634,5.3 86.734,5.3 90.725,9.291 90.725,10.5 90.475,10.75 U9.6@90.475,11.475
  Bottom Layer w0.2: v1(76.33,1.07) CON3.56@76.33,2.305
SOUTH_TXO6_N: CON3.57 U10.15 | length 14
  Top Layer w0.2: v1(75.6,9.69) 75.05,9.14 74.572,9.14 74.25,9.462 74.25,9.918 74.975,10.642 75.599,10.642 80.125,15.169 80.125,16.7 79.875,16.95 U10.15@79.875,17.525
  Bottom Layer w0.2: v1(75.6,9.69) 75.6,9.672 75.83,9.442 CON3.57@75.83,8.485
SOUTH_TXO6_P: CON3.59 U10.14 | length 11.9
  Top Layer w0.2: v1(74.8,9.69) 75.352,10.242 75.764,10.242 80.525,15.003 U10.14@80.525,17.525
  Bottom Layer w0.2: v1(74.8,9.69) 75.33,9.16 CON3.59@75.33,8.485
SOUTH_TXO7_N: CON3.58 U9.1 | length 21.1
  Top Layer w0.2: v1(75.6,1.1) 75.6,4.3 77.2,5.9 85,5.9 87.225,8.125 U9.1@87.225,11.475
  Bottom Layer w0.2: v1(75.6,1.1) 75.6,1.118 75.83,1.348 CON3.58@75.83,2.305
SOUTH_TXO7_P: CON3.60 U9.2 | length 24
  Top Layer w0.2: v1(74.8,1.1) 75.2,1.5 75.2,4.466 77.034,6.3 84.834,6.3 86.825,8.291 86.825,10.778 86.75,10.853 86.75,12.096 87.028,12.375 87.625,12.375 87.875,12.125 U9.2@87.875,11.475
  Bottom Layer w0.2: v1(74.8,1.1) 75.33,1.63 CON3.60@75.33,2.305
SYS_5P0V: CON2.1 CON2.2 CON5.24 CON7.24 F1.1 | length 65.3
  Top Layer w1: F1.1@45.9,5.5 50.07,5.5 CON7.24@52.11,7.54 56.17,11.6 v1(59,11.6) ; v1(46.9,3.4) 46.4,3.4 F1.1@45.8,4 45.8,6.4 v1(46.9,7.5) ; v1(69.89,34.91) CON5.24@69.89,48.46
  VCC w2: v1(59,11.6) 59,13.6 69.89,24.49 v1(69.89,35.6)
  Bottom Layer w0.3: CON2.2@46.65,2.305 46.65,3.15 v1(46.9,3.4) ; CON2.1@46.65,8.485 46.65,7.75 v1(46.9,7.5)
  other v1: 58.3,11.6
UART_RX: CON2.24 CON7.19 | length 16
  Top Layer w0.2: v1(40.9,0.9) 40.9,0.978 40.978,0.9 53.09,0.9 CON7.19@54.65,2.46
  Bottom Layer w0.2: v1(40.9,0.9) 41.15,1.15 CON2.24@41.15,2.305
UART_TX: CON2.26 CON7.22 | length 14.5
  Top Layer w0.2: v1(40.1,0.9) 40.1,1.125 40.425,1.45 41.128,1.45 41.278,1.3 50.95,1.3 CON7.22@52.11,2.46
  Bottom Layer w0.2: v1(40.1,0.9) 40.65,1.45 CON2.26@40.65,2.305
VAA: C6.1 FB2.1 FB3.1 FB4.1 U2.5 | length 169.1
  Top Layer w0.4: v1(55.9,34.3) 56.35,34.3 FB4.1@56.75,34.7 ; FB2.1@118.5,35.15 118.5,35.5
  Top Layer w0.6: FB3.1@18.5,35.15 20.4,35.15
  Top Layer w0.8: 33.7,12.85 C6.1@35.2,12.85 35.25,12.8 U2.5@35.25,11.325 ; v1(60.3,31.8) v1(73.1,31.8) ; 116.95,37.05 118.5,35.5
  Top Layer w1.4: 20.4,35.15 25.7,29.85 v1@25.7,26 ; v1(27.1,22.65) 27.65,22.65 30.8,19.5 30.8,15.75 33.7,12.85 33.7,15.416 35.784,17.5 45.2,17.5 49,13.7 v1(51.4,13.7) ; v1(87.7,33.4) 94.2,33.4 102.2,41.4 113.9,41.4 116.95,38.35 116.95,37.05
  VCC w1.5: v1(50.7,13.7) 53.9,13.7 58.1,9.5 61.297,9.5 65.5,13.703 65.5,16.203 73.1,23.803 v1(73.1,29.2)
  Bottom Layer w0.8: v1(55.9,34.3) 57.8,34.3 v1(60.3,31.8)
  Bottom Layer w1.4: v1(25.7,25.8) 27.1,24.4 v1(27.1,22.65) ; v1(73.1,31.8) v1(73.1,29.2) 73.1,28.7 77.8,33.4 v1(87.7,33.4)
  other v1: 73.1,28.5
VDD_GPIO: C23.1 C28.1 CON1.1 CON1.2 CON5.20 TP20.1 U5.5 U6.6 U6.7 | length 68.2
  Top Layer w0.2: v1@47.4,45.8 47.6,45.6 TP20.1@47.6,44.5 ; 59.9,34.5 U5.5@60.475,34.5
  Top Layer w0.4: v1(55.5,37.6) 55.9,37.2 57.3,37.2 58.05,36.45 C23.1@58.05,36.1 58.3,36.1 59.9,34.5
  Top Layer w0.6: C28.1@52.5,25.05 53.25,25.05 ; U6.7@55.5,24.67 53.63,24.67 53.25,25.05 ; U6.6@55.5,25.94 54.14,25.94 53.25,25.05
  VCC w0.6: v1(47.2,52.5) 48.067,51.633 50.243,51.633 50.86,52.25 66.1,52.25 CON5.20@67.35,51
  VCC w1: v1(47.3,45.8) v1(55.5,37.6) 52.95,35.05 52.95,26.05 v1(53.6,25.4)
  Bottom Layer w0.2: CON1.1@46.65,53.695 47,53.345
  Bottom Layer w0.6: 47,53.345 47,47.865 47.3,47.565 v1(47.3,45.8)
VIN_A: C4.1 D2.1 U2.1 U2.3 | length 5.7
  Top Layer w0.2: 35.362,7.875 36.875,7.875 37.15,8.15 U2.3@37.15,8.675
  Top Layer w0.7: D2.1@35.2,5.7 35.2,6.65 C4.1@35.55,7 35.25,7.3 U2.1@35.25,8.675
VIN_D: C1.1 D1.1 U1.1 U1.3 | length 10.2
  Top Layer w0.2: C1.1@40.95,6.65 41.05,6.65 41.5,6.2 42.9,6.2 43.1,6.4 43.1,8.225 U1.3@42.65,8.675
  Top Layer w0.7: U1.1@40.75,8.675 40.75,7.3 C1.1@41.05,7
  Top Layer w1: D1.1@37.6,5.7 38.9,7 40.6,7
pads on no net: CON1.57 CON1.58 CON1.59 CON1.60 CON1.61 CON1.62 CON2.5 CON2.6 CON2.7 CON2.8 CON2.9 CON2.10 CON2.13 CON2.14 CON2.15 CON2.16 CON2.17 CON2.18 CON2.19 CON2.20 CON2.23 CON2.25 CON2.27 CON2.28 CON2.33 CON2.34 CON2.43 CON2.44 CON2.45 CON2.46 CON2.47 CON2.48 CON2.49 CON2.50 CON2.53 CON2.54 CON2.55 CON2.56 CON2.57 CON2.58 CON2.59 CON2.61 CON2.62 CON3.1 CON3.2 CON3.3 CON3.4 CON3.5 CON3.6 CON3.7 CON3.8 CON3.9 CON3.10 CON3.13 CON3.14 CON3.15 CON3.16 CON3.17 CON3.18 CON3.19 CON3.20 CON3.23 CON3.24 CON3.25 CON3.26 CON3.27 CON3.28 CON3.29 CON3.30 CON3.33 CON3.34 CON3.35 CON3.36 CON3.37 CON3.38 CON3.39 CON3.40 CON3.61 CON3.62 CON4.1 CON4.2 CON4.3 CON4.4 CON4.5 CON4.6 CON4.7 CON4.8 CON4.9 CON4.10 CON4.13 CON4.14 CON4.15 CON4.16 CON4.17 CON4.18 CON4.19 CON4.20 CON4.23 CON4.24 CON4.25 CON4.26 CON4.27 CON4.28 CON4.29 CON4.30 CON4.33 CON4.34 CON4.35 CON4.36 CON4.37 CON4.38 CON4.39 CON4.40 CON4.61 CON4.62 CON6.12 CON7.17 CON7.18 LM1.1 LM1.2 LM2.1 LM2.2 U3.15 U3.16 U3.17 U3.18 U3.19 U3.20 U3.21 U3.22 U3.26 U3.36 U3.37 U3.41 U3.42 U3.43 U3.44 U3.45 U3.46 U4.15 U4.16 U4.17 U4.18 U4.19 U4.20 U4.21 U4.22 U4.26 U4.36 U4.37 U4.41 U4.42 U4.43 U4.44 U4.45 U4.46 U5.9 U5.10 U5.11 U6.1 U6.2 U6.3 U6.9 U6.10 U6.11 U6.12 U6.17 U6.18 U6.19 U6.20 U6.21 U6.26 U6.27 U6.28 U7.8 U7.11 U9.4 U10.4 U11.4 U12.4

## Polygon pours and split planes (outlines as drawn)
+3V3 on VCC "VCC Pour" (solid, remove dead copper, pour order 9): 4,38 18,52 104,52 118,38 118,18 104,4 18,4 4,18
GND on GND "Top Layer-GND" (solid, remove dead copper, pour order 12): 0.5,38.3 0.5,17.7 17.7,0.5 104.2,0.5 121.5,17.8 121.5,38.2 104.2,55.5 17.7,55.5
GND on Top Layer "Top Layer-GND" (solid, remove dead copper, pour order 11): 0.5,38.3 0.5,17.7 17.7,0.5 104.2,0.5 121.5,17.8 121.5,38.2 104.2,55.5 17.7,55.5
GND on Bottom Layer "GND" (solid, remove dead copper, pour order 10): 0.5,38.3 0.5,17.7 17.7,0.5 104.2,0.5 121.5,17.8 121.5,38.2 104.2,55.5 17.7,55.5

## Other copper
Top Layer:
  region net +3V3: 46.3,10.2 46.3,13.1 44.1,15.3 42.2,15.3 42.2,10.9 42.4,10.7 43.4,10.7 43.8,10.3 43.9,10.2
Bottom Layer:
  pour cut-out: 52.3,44.1 52.3,43.2 53.3,43.2 53.3,44.1

## Silkscreen, mask and mechanical layers (free items; w line width, h text height)
Top Overlay:
  drawing of 36 lines, arcs and shapes, not listed
  text "IMUs" at 33.5,52.5 h2.5
  text "Y" at 42.9,50.1 h1.2
  text "Z" at 35.3,50 h1.2
  text "K" at 76.5,48.5 h10
  text "Vision" at 83.5,46.7 h5
  text "BANK13 EXPANSION" at 50.7,44.8 h2
  text "X" at 35.4,43.8 h1.2
  text "CS" at 65.9,37.8 h1.5 r90
  text "SDI" at 68.5,37.8 h1.5 r90
  text "INT" at 64.6,36.3 h1.5 r90
  text "SDO" at 67.2,36.3 h1.5 r90
  text "SCLK" at 69.8,36.3 h1.5 r90
  text "STBY" at 98.5,30.7 h1.5 r90
  text "Pixel [0,0]" at 79,28 h2.5
  text "TX" at 69.2,26.5 h1.5
  text "HEAT SHIELD" at 73.968,26.057 h2 r90
  text "CLK1" at 38.1,25.9 h1.5 r90
  text "EXP1" at 39.5,25.9 h1.5 r90
  text "CLK2" at 40.9,25.9 h1.5 r90
  text "EXP2" at 42.3,25.9 h1.5 r90
  text "RST" at 98.4,22.8 h1.5 r90
  text "RX" at 69.2,21 h1.5
  text "CAMERA VIEW" at 75,20 h2.5
  text "XILINX JTAG" at 32.3,17.5 h2
  text "SYNC" at 67,14.4 h2
  text "SCL" at 24.2,12 h1.5
  text "CAM 1" at 106.6,11.8 h3
  text "CAM 2" at 6.5,11.7 h3
  text "SDA" at 24.2,9.5 h1.5
  text "EPIPHANY EXPANSION" at 50.7,8.8 h2
Bottom Overlay:
  circle w0.3: c111,39 r2
  circle w0.3: c111,17 r2
  circle w0.3: c11,17 r2
  circle w0.3: c11,39 r2
  lines w0.3: 18,7.795 18,47.995 ; 18,10 15,10 15,27.895 18,27.895 ; 18,39 15,39 15,46 18,46 ; 24.8,0.995 97,0.995 ; 25,54.995 96.8,54.995 ; 104,7.995 104,47.795
  text "DC" at 17.25,44 h2.5 r90
  text "GPIO" at 43,43.5 h3
  text "NORTH" at 87,43.5 h3
  text "V1.0" at 60,39.5 h3
  text ".Project" at 101,39.5 h3
  text "By Emil Fresk (emil.fresk@ltu.se)" at 101,35.5 h3
  text "PARALLELLA" at 76,26.7 h5
  text "Ethernet" at 17.25,23.5 h2.5 r90
  text "3V3" at 34.1,19.7 h1.8 r90
  text "TMS" at 36.1,19.7 h1.8 r90
  text "TCK" at 38.1,19.7 h1.8 r90
  text "TDO" at 40.1,19.7 h1.8 r90
  text "TDI" at 42.1,19.7 h1.8 r90
  text "RST" at 46.1,19.7 h1.8 r90
  text "POWER" at 44.1,10.5 h3
  text "SOUTH" at 87.5,10.5 h3
Board Outline:
  the board outline again, w0.2
Fabrication Notes:
  drawing of 295 lines, arcs and shapes, not listed
  text "NOTE:" at 6,84 h2
  text "- 4 Differential Pairs on the bottom layer, Impedance 100 Ohm (10%)." at 6,80 h2
  text "- Chip U6 shall not be mounted and no paste on its pads, they shall be left clean." at 6,76 h2
  text "- 5 pcs of prototypes are to be mounted." at 6,72 h2
  text "- Stackup material and spacing can be changed. As long as impedance is matched." at 6,68 h2
  text "- PCB color shall be BLUE." at 6,64 h2
  text "- All the trough hole components' legs must be cut flush to the PCB." at 6,60 h2
  text "STACKUP" at 131.8,38.7 h2
  text "Layer" at 133.288,34.748 h1.52
  text "Name" at 143.7,34.748 h1.52
  text "Material" at 167.316,34.748 h1.52
  text "Thickness" at 189.154,34.748 h1.52
  text "Constant" at 205.659,34.748 h1.52
  text "Board Layer Stack" at 220.134,34.748 h1.52
  text "1" at 133.288,31.7 h1.52
  text "Top Overlay" at 143.7,31.7 h1.52
  text "2" at 133.288,28.652 h1.52
  text "Top Solder" at 143.7,28.652 h1.52
  text "Solder Resist" at 167.316,28.652 h1.52
  text "0,010mm" at 189.154,28.652 h1.52
  text "3,5" at 205.659,28.652 h1.52
  text "3" at 133.288,25.604 h1.52
  text "Top Layer" at 143.7,25.604 h1.52
  text "Copper" at 167.316,25.604 h1.52
  text "0,035mm" at 189.154,25.604 h1.52
  text "4" at 133.288,22.556 h1.52
  text "Dielectric 1" at 143.7,22.556 h1.52
  text "FR408" at 167.316,22.556 h1.52
  text "0,170mm" at 189.154,22.556 h1.52
  text "3,66" at 205.659,22.556 h1.52
  text "5" at 133.288,19.508 h1.52
  text "VCC" at 143.7,19.508 h1.52
  text "Copper" at 167.316,19.508 h1.52
  text "0,035mm" at 189.154,19.508 h1.52
  text "6" at 133.288,16.46 h1.52
  text "Dielectric 3" at 143.7,16.46 h1.52
  text "FR408" at 167.316,16.46 h1.52
  text "1,100mm" at 189.154,16.46 h1.52
  text "3,66" at 205.659,16.46 h1.52
  text "7" at 133.288,13.412 h1.52
  text "GND" at 143.7,13.412 h1.52
  text "Copper" at 167.316,13.412 h1.52
  text "0,035mm" at 189.154,13.412 h1.52
  text "8" at 133.288,10.364 h1.52
  text "Dielectric 2" at 143.7,10.364 h1.52
  text "FR408" at 167.316,10.364 h1.52
  text "0,170mm" at 189.154,10.364 h1.52
  text "3,66" at 205.659,10.364 h1.52
  text "9" at 133.288,7.316 h1.52
  text "Bottom Layer" at 143.7,7.316 h1.52
  text "Copper" at 167.316,7.316 h1.52
  text "0,035mm" at 189.154,7.316 h1.52
  text "10" at 133.288,4.268 h1.52
  text "Bottom Solder" at 143.7,4.268 h1.52
  text "Solder Resist" at 167.316,4.268 h1.52
  text "0,010mm" at 189.154,4.268 h1.52
  text "3,5" at 205.659,4.268 h1.52
  text "11" at 133.288,1.22 h1.52
  text "Bottom Overlay" at 143.7,1.22 h1.52